# KiCad board pmi_2023.kicad_pcb (continued)
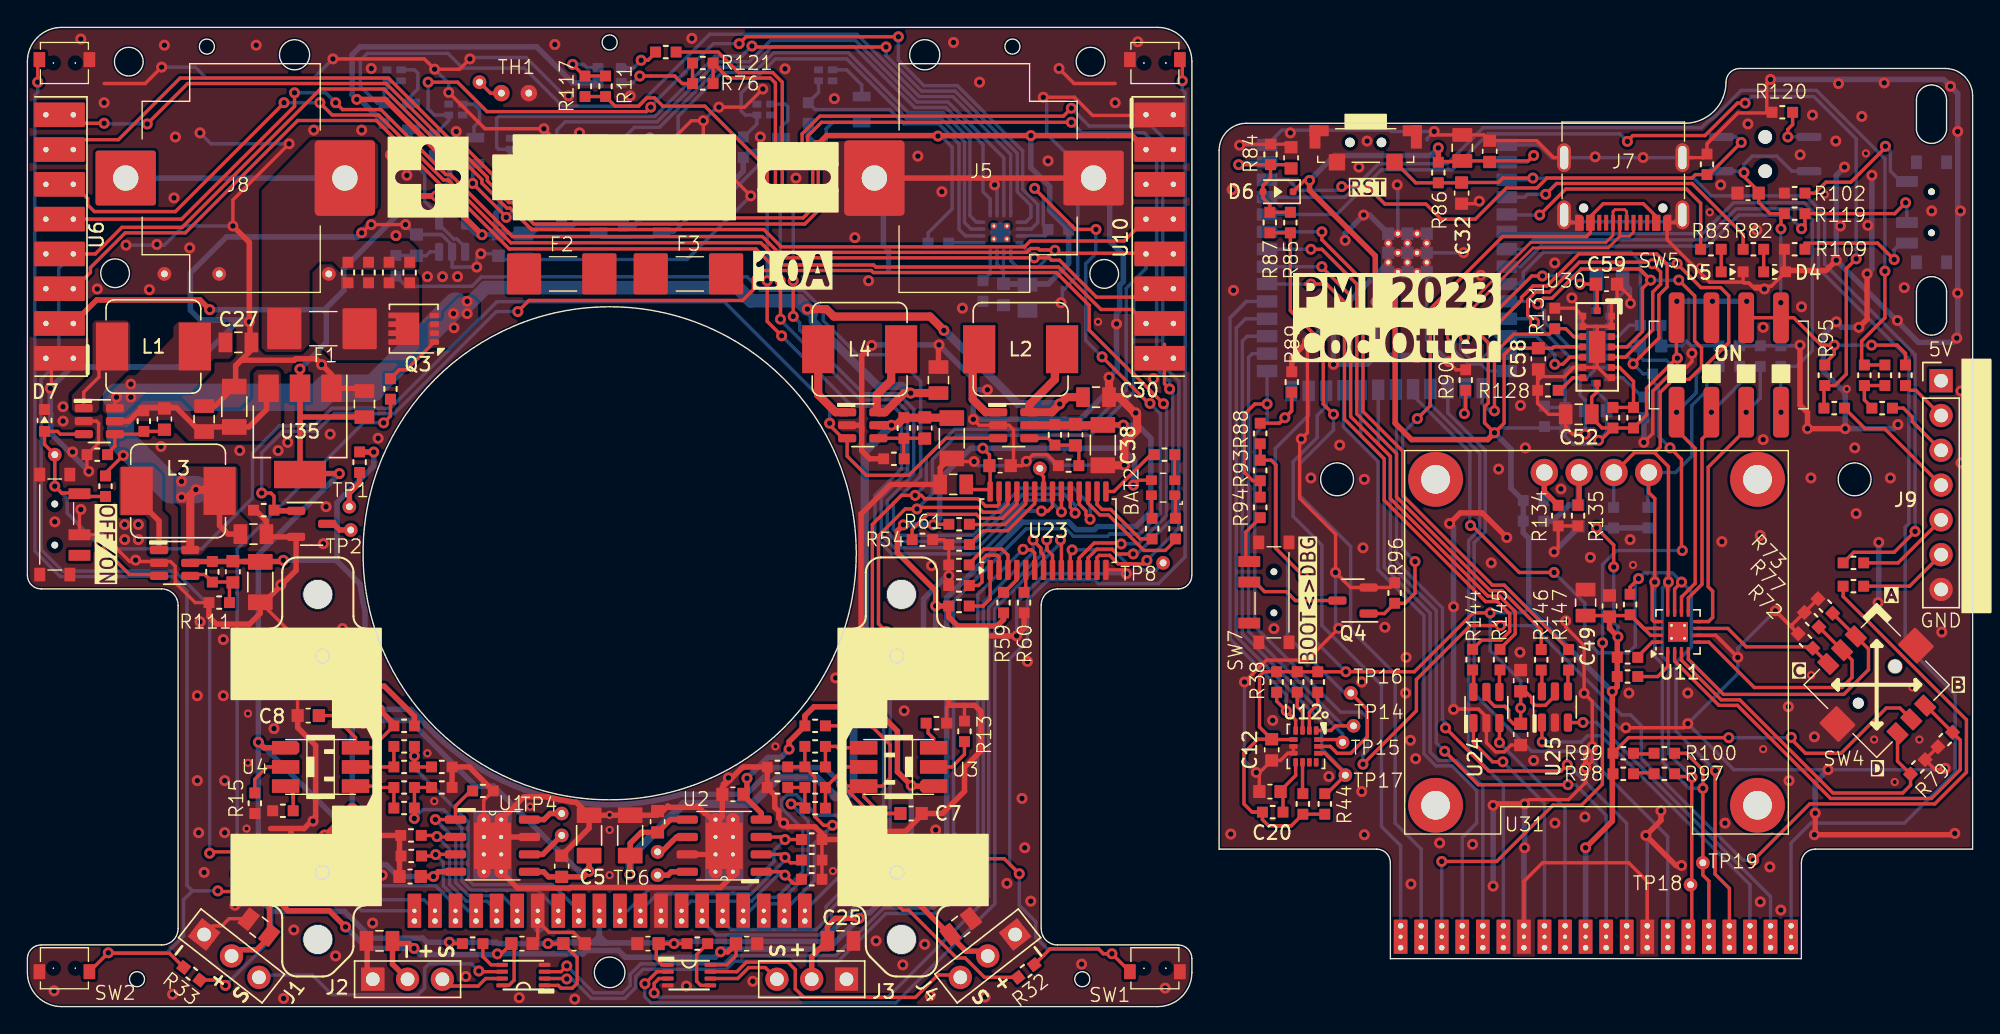
[diagram p0: board, top side]
## Library data of the parts (continued)
SW5 = -: Description: 4 poles SMT DIP switch; JLCPCB: C3024970; JLCPCB Part #: C437204
SW10 = -: Datasheet: https://wmsc.lcsc.com/wmsc/upload/file/pdf/v2/lcsc/2108252230_BZCN-TSB001A3526A02_C2888889.pdf; Description: 50mA max, 12Vdc, 100mohms max; JLCPCB Part #: C2888889
TH1 = -: Description: Temperature dependent resistor, negative temperature coefficient; ki_fp_filters: *NTC* *Thermistor* PIN?ARRAY* bornier* *Terminal?Block* R_*
TP1-TP19 = -: Description: test point; ki_fp_filters: Pin* Test*
U1 U2 = -: JLCPCB Part #: C5218849
U5 = -: Description: Low Cost, 250 mA Output, / Single-Supply Amplifiers, supply [2.7;6V]; MOUSER_REF: 584-AD8531ARTZ-R7; JLCPCB Part #: C143905
U6 U10 = -: Description: tof sensor board connector - female; ki_fp_filters: Connector*:*_1x??_*
U7 U11 = -: Datasheet: https://www.ti.com/lit/ds/symlink/tca6408a.pdf; Description: 8-BIT I2C/SMBUS GPIO EXPANDER; mouser: 595-TCA6408ARGTR; JLCPCB part#: C181499; ki_fp_filters: TSSOP*4.4x7.8mm*P0.65mm*
U8 U9 U13-U16 U19 U20 = -: Description: SMT, detection distance 0.5mm photointerrupter; JLCPCB Part #: C2943466
U12 = -: Datasheet: https://www.st.com/resource/en/datasheet/lsm6dso32x.pdf; JLCPCB Part #: C2655100
U17 U21 = -: Datasheet: https://www.ti.com/lit/ds/symlink/sn74lvc2t45.pdf; Description: Dual-Bits Dual-Supply Bus Transceiver With Configurable Voltage Translation and 3-State Outputs, SOT-23-6; ki_fp_filters: SOT?23*
U18 = -: JLCPCB Part #: C509307
U22 U30 = -: Datasheet: https://www.st.com/resource/en/datasheet/vl53l5cx.pdf; Description: Time-of-Flight 8x8 multizone ranging sensor with wide field of view; JLCPCB Part #: C3178303; ki_fp_filters: ST*VL53L1x*
U23 = -: Datasheet: http://www.nxp.com/docs/en/data-sheet/PCA9685.pdf; Description: 16-channel 12-bit PWM Fm+ I2C-bus LED controller RGBA TSSOP; JLCPCB Part #: C2678753; ki_fp_filters: TSSOP*4.4x9.7mm*P0.65mm*
U24 U25 = -: Datasheet: https://www.ti.com/lit/ds/symlink/sn74lvc2g17.pdf; Description: Dual Schmitt-Trigger non inverting Buffer; ki_fp_filters: SOT?23*
U28 U29 U33 U34 = -: Datasheet: https://www.ti.com/lit/gpn/TLV61070A
U31 = -: Description: 0.96 inches, 128x64 pixels, supply [3.3;5V], I2C, SH1106 (or SSD1306) controller
U32 = -: Description: 8MB flash, 2MB PSRAM, with antena connector; JLCPCB Part #: C3013944
U35 = -: JLCPCB: C435835

## Footprints (pads in the part's own frame, mm; a bottom-side part is the same pattern mirrored in y, then rotated)
254
  rrect 4.4x5.5 hole 1.85: 1(-7.8,0)
  rrect 4.4x4 hole 1.85: 1(8.2,0)
ana_servo_5V
  rect 1.7x1.7 hole 1: 1(0,2.54)
  oval 1.7x1.7 hole 1: 2(0,0) 3(0,-2.54)
C_0603_1608Metric
  rrect 0.9x0.95 smd: 1(-0.775,0) 2(0.775,0)
C_0805_2012Metric
  rrect 1x1.45 smd: 1(-0.95,0) 2(0.95,0)
C_1206_3216Metric
  rrect 1.15x1.8 smd: 1(-1.475,0) 2(1.475,0)
CTN-NRN
  round 1.2 hole 0.5: 1(-1,0) 2(1,0)
D_SOD-323F
  rrect 0.5x0.5 smd: 1(-1.1,0) 2(1.1,0)
DDA0008B
  rrect 1.55x0.6 smd: 1(-2.7,1.905) 2(-2.7,0.635) 3(-2.7,-0.635) 4(-2.7,-1.905) 5(2.7,-1.905) 6(2.7,-0.635) 7(2.7,0.635) 8(2.7,1.905)
  round 1 hole 0.3: 9(-0.635,1.905) 9(-0.635,0.635) 9(-0.635,-0.635) 9(-0.635,-1.905) 9(0.635,1.905) 9(0.635,0.635) 9(0.635,-0.635) 9(0.635,-1.905)
  rrect 2.71x3.4 smd: 9(0,0)
  rrect 2.8x5 smd far side: 9(0,0)
Diodes_PowerDI3333-8
  rrect 0.6x1 smd: (0.02,0.565) (0.02,-0.565) (0.73,0.565) (0.73,-0.565)
  rrect 0.7x0.42 smd: (1.5,0.975) (1.5,0.325) (1.5,-0.325) (1.5,-0.975) 1(-1.5,0.975) 2(-1.5,0.325) 3(-1.5,-0.325) 4(-1.5,-0.975)
  custom 2.25x2.37 smd: 5(0.455,0)
EESX1321
  rrect 2x1 smd: 1(-2.55,1.4) 2(-2.55,0) 3(-2.55,-1.4) 4(2.55,-1.4) 5(2.55,0) 6(2.55,1.4)
eps32_uart_programmer
  rect 1.7x1.7 hole 1: 1(0,0)
  oval 1.7x1.7 hole 1: 2(0,-2.54) 3(0,-5.08) 4(0,-7.62) 5(0,-10.16) 6(0,-12.7) 7(0,-15.24)
ESE58L11B
  round 0.1 hole 0.7 unplated: (-0.8,0) (0.8,0)
  rrect 0.85x1.1 smd: 1(-1.825,0.25) 2(1.825,0.25)
ESE58R11B
  round 0.1 hole 0.7 unplated: (-0.8,0) (0.8,0)
  rrect 0.85x1.1 smd: 1(-1.825,0.25) 2(1.825,0.25)
ESP32-S3-WROOM-1
  rrect 1.5x0.9 smd: 1(-8.75,8.255) 2(-8.75,6.985) 3(-8.75,5.715) 4(-8.75,4.445) 5(-8.75,3.175) 6(-8.75,1.905) 7(-8.75,0.635) 8(-8.75,-0.635) 9(-8.75,-1.905) 10(-8.75,-3.175) 11(-8.75,-4.445) 12(-8.75,-5.715) 13(-8.75,-6.985) 14(-8.75,-8.255) 27(8.75,-8.255) 28(8.75,-6.985) 29(8.75,-5.715) 30(8.75,-4.445) 31(8.75,-3.175) 32(8.75,-1.905) 33(8.75,-0.635) 34(8.75,0.635) 35(8.75,1.905) 36(8.75,3.175) 37(8.75,4.445) 38(8.75,5.715) 39(8.75,6.985) 40(8.75,8.255)
  rrect 0.9x1.5 smd: 15(-6.985,-9.505) 16(-5.715,-9.525) 17(-4.445,-9.545) 18(-3.175,-9.565) 19(-1.905,-9.585) 20(-0.635,-9.605) 21(0.635,-9.625) 22(1.905,-9.645) 23(3.175,-9.665) 24(4.445,-9.685) 25(5.715,-9.705) 26(6.985,-9.725)
  rrect 0.9x0.9 smd: 41(-2.9,-1.025) 41(-2.9,0.375) 41(-2.9,1.775) 41(-1.5,-1.025) 41(-1.5,0.375) 41(-1.5,1.775) 41(-0.1,-1.025) 41(-0.1,0.375) 41(-0.1,1.775)
  round 0.6 hole 0.3: 41(-2.9,-0.325) 41(-2.9,1.075) 41(-2.2,-1.025) 41(-2.2,0.375) 41(-2.2,1.775) 41(-1.5,-0.325) 41(-1.5,1.075) 41(-0.8,-1.025) 41(-0.8,0.375) 41(-0.8,1.775) 41(-0.1,-0.325) 41(-0.1,1.075)
HAD-04HWAG-2
  rrect 1.15x3.7 smd: 1(-3.81,-3.45) 2(-1.27,-3.45) 3(1.27,-3.45) 4(3.81,-3.45) 5(3.81,3.45) 6(1.27,3.45) 7(-1.27,3.45) 8(-3.81,3.45)
ITR1204SR10A
  rrect 0.65x0.5 smd: 1(0.5,-0.4) 2(0.5,0.4)
  rrect 0.7x0.5 smd: 3(-0.525,0.4) 4(-0.525,-0.4)
JFC2410
  rrect 2.5x3 smd: 1(-2.75,0) 2(2.75,0)
L_Kyocera_07A7_7.3x6.6mm
  rect 2.35x3.5 smd: 1(-3.025,0) 2(3.025,0)
LED_0603_1608Metric
  rrect 0.8x0.8 smd: A(0.8,0) C(-0.8,0)
LGA-14_3x2.5mm_P0.5mm_LayoutBorder3x4y
  rrect 0.625x0.35 smd: 1(-1.163,0.75) 2(-1.163,0.25) 3(-1.163,-0.25) 4(-1.163,-0.75) 8(1.163,-0.75) 9(1.163,-0.25) 10(1.163,0.25) 11(1.163,0.75)
  rrect 0.35x0.625 smd: 5(-0.5,-0.912) 6(0,-0.912) 7(0.5,-0.912) 12(0.5,0.912) 13(0,0.912) 14(-0.5,0.912)
MountingHole_2.1mm
  round 2.1 hole 2.1 unplated: (0,0)
MSS12C02LS-BB2.0
  round 0.5 hole 0.8 unplated: (-1.5,0) (1.5,0)
  rrect 0.8x1.6 smd: A(-2.25,1.8) B(0.75,1.8) C(2.25,1.8)
  rrect 1x0.8 smd: MP(-3.65,1.1) MP(-3.65,-1.1) MP(3.65,1.1) MP(3.65,-1.1)
NH-B2020RGBA-HF
  rrect 0.8x0.7 smd: 1(-0.85,0.55) 2(0.85,0.55) 3(0.85,-0.55) 4(-0.85,-0.55)
OLED_0.96inch
  round 2 hole 1.2: 1(-3.81,12.4) 2(-1.27,12.4) 3(1.27,12.4) 4(3.81,12.4)
  round 4 hole 2.1: NC(-11.75,11.9) NC(-11.75,-11.9) NC(11.75,11.9) NC(11.75,-11.9)
pmi_2023_interconnection
  round 0.7 hole 0.3: 1(-14.25,0) 2(-12.75,0) 3(-11.25,0) 4(-9.75,0) 5(-8.25,0) 6(-6.75,0) 7(-5.25,0) 8(-3.75,0) 9(-2.25,0) 10(-0.75,0) 11(0.75,0) 12(2.25,0) 13(3.75,0) 14(5.25,0) 15(6.75,0) 16(8.25,0) 17(9.75,0) 18(11.25,0) 19(12.75,0) 20(14.25,0)
  rrect 1x2.5 smd: 1(-14.25,0) 2(-12.75,0) 3(-11.25,0) 4(-9.75,0) 5(-8.25,0) 6(-6.75,0) 7(-5.25,0) 8(-3.75,0) 9(-2.25,0) 10(-0.75,0) 11(0.75,0) 12(2.25,0) 13(3.75,0) 14(5.25,0) 15(6.75,0) 16(8.25,0) 17(9.75,0) 18(11.25,0) 19(12.75,0) 20(14.25,0)
  round 0.7 hole 0.4: 1(-14.25,-0.75) 2(-12.75,-0.75) 3(-11.25,-0.75) 4(-9.75,-0.75) 5(-8.25,-0.75) 6(-6.75,-0.75) 7(-5.25,-0.75) 8(-3.75,-0.75) 9(-2.25,-0.75) 10(-0.75,-0.75) 11(0.75,-0.75) 12(2.25,-0.75) 13(3.75,-0.75) 14(5.25,-0.75) 15(6.75,-0.75) 16(8.25,-0.75) 17(9.75,-0.75) 18(11.25,-0.75) 19(12.75,-0.75) 20(14.25,-0.75)
pmi_2023_interconnection_top
  round 0.7 hole 0.4: 1(-14.25,0.8) 1(-14.25,-0.8) 2(-12.75,0.8) 2(-12.75,-0.8) 3(-11.25,0.8) 3(-11.25,-0.8) 4(-9.75,0.8) 4(-9.75,-0.8) 5(-8.25,0.8) 5(-8.25,-0.8) 6(-6.75,0.8) 6(-6.75,-0.8) 7(-5.25,0.8) 7(-5.25,-0.8) 8(-3.75,0.8) 8(-3.75,-0.8) 9(-2.25,0.8) 9(-2.25,-0.8) 10(-0.75,0.8) 10(-0.75,-0.8) 11(0.75,0.8) 11(0.75,-0.8) 12(2.25,0.8) 12(2.25,-0.8) 13(3.75,0.8) 13(3.75,-0.8) 14(5.25,0.8) 14(5.25,-0.8) 15(6.75,0.8) 15(6.75,-0.8) 16(8.25,0.8) 16(8.25,-0.8) 17(9.75,0.8) 17(9.75,-0.8) 18(11.25,0.8) 18(11.25,-0.8) 19(12.75,0.8) 19(12.75,-0.8) 20(14.25,0.8) 20(14.25,-0.8)
  round 0.7 hole 0.3: 1(-14.25,0) 2(-12.75,0) 3(-11.25,0) 4(-9.75,0) 5(-8.25,0) 6(-6.75,0) 7(-5.25,0) 8(-3.75,0) 9(-2.25,0) 10(-0.75,0) 11(0.75,0) 12(2.25,0) 13(3.75,0) 14(5.25,0) 15(6.75,0) 16(8.25,0) 17(9.75,0) 18(11.25,0) 19(12.75,0) 20(14.25,0)
  rrect 1x2.5 smd: 1(-14.25,0) 2(-12.75,0) 3(-11.25,0) 4(-9.75,0) 5(-8.25,0) 6(-6.75,0) 7(-5.25,0) 8(-3.75,0) 9(-2.25,0) 10(-0.75,0) 11(0.75,0) 12(2.25,0) 13(3.75,0) 14(5.25,0) 15(6.75,0) 16(8.25,0) 17(9.75,0) 18(11.25,0) 19(12.75,0) 20(14.25,0)
  rrect 1x2.5 smd far side: 1(-14.25,0) 2(-12.75,0) 3(-11.25,0) 4(-9.75,0) 5(-8.25,0) 6(-6.75,0) 7(-5.25,0) 8(-3.75,0) 9(-2.25,0) 10(-0.75,0) 11(0.75,0) 12(2.25,0) 13(3.75,0) 14(5.25,0) 15(6.75,0) 16(8.25,0) 17(9.75,0) 18(11.25,0) 19(12.75,0) 20(14.25,0)
r0603_reflow
  rrect 0.8x0.8 smd: 1(-0.75,0) 2(0.75,0)
r0805_reflow
  rrect 0.7x1.3 smd: 1(-0.95,0) 2(0.95,0)
RPI-0352E
  round 1 hole 1.2 unplated: (0,-1.25)
  round 1 hole 1.5 unplated: (0,1.25)
  rrect 1.8x0.6 smd: 1(3.2,-1.25) 2(3.2,1.25) 3(-3.2,1.25) 4(-3.2,-1.25)
SOT-23-3
  rrect 1.325x0.6 smd: 1(-1.137,0.95) 2(-1.137,-0.95) 3(1.137,0)
SOT-23-5
  rrect 1.325x0.6 smd: 1(-1.137,0.95) 2(-1.137,0) 3(-1.137,-0.95) 4(1.137,-0.95) 5(1.137,0.95)
SOT-23-6
  rrect 1.325x0.6 smd: 1(-1.137,0.95) 2(-1.137,0) 3(-1.137,-0.95) 4(1.137,-0.95) 5(1.137,0) 6(1.137,0.95)
SOT-223
  rect 2x1.5 smd: 1(-3.15,2.3) 2(-3.15,0) 3(-3.15,-2.3)
  rect 2x3.8 smd: 4(3.15,0)
testpoint-THT-0.5mm
  round 1 hole 0.5: 1(0,0)
TM-4175-B-A
  round 0.8 hole 1 unplated: (0,1.9)
  round 1.1 hole 1 unplated: (0,-1.9)
  rrect 1.35x1 smd: 1(3.575,-1.425) 2(3.575,0) 3(3.575,1.425) 4(-3.575,-1.425) 5(-3.575,0) 6(-3.575,1.425)
  rrect 2x1.8 smd: MP(0,4.05) MP(0,-4.05)
tof_sensor_male
  round 1 hole 0.4: 1(-8.89,1) 1(-8.89,-1) 2(-6.35,1) 2(-6.35,-1) 3(-3.81,1) 3(-3.81,-1) 4(-1.27,1) 4(-1.27,-1) 5(1.27,1) 5(1.27,-1) 6(3.81,1) 6(3.81,-1) 7(6.35,1) 7(6.35,-1) 8(8.89,1) 8(8.89,-1)
  rrect 1.8x3.7 smd: 1(-8.89,0) 2(-6.35,0) 3(-3.81,0) 4(-1.27,0) 5(1.27,0) 6(3.81,0) 7(6.35,0) 8(8.89,0)
TSB001A3526A02
  round 0.7 hole 0.8 unplated: (-1.15,0) (1.15,0)
  rrect 1.2x1.2 smd: 1(-2.1,-1.45) 2(2.1,-1.45)
  rect 0.8x1.7 smd: MP(-3.7,0.4) MP(3.7,0.4)
  rect 1.4x0.8 smd: MP(-3.4,0.85) MP(3.4,0.85)
TSSOP-28_4.4x9.7mm_P0.65mm
  rrect 1.475x0.4 smd: 1(-2.862,4.225) 2(-2.862,3.575) 3(-2.862,2.925) 4(-2.862,2.275) 5(-2.862,1.625) 6(-2.862,0.975) 7(-2.862,0.325) 8(-2.862,-0.325) 9(-2.862,-0.975) 10(-2.862,-1.625) 11(-2.862,-2.275) 12(-2.862,-2.925) 13(-2.862,-3.575) 14(-2.862,-4.225) 15(2.862,-4.225) 16(2.862,-3.575) 17(2.862,-2.925) 18(2.862,-2.275) 19(2.862,-1.625) 20(2.862,-0.975) 21(2.862,-0.325) 22(2.862,0.325) 23(2.862,0.975) 24(2.862,1.625) 25(2.862,2.275) 26(2.862,2.925) 27(2.862,3.575) 28(2.862,4.225)
USB4105
  round 0.7 hole 0.65 unplated: (-2.89,6.28) (2.89,6.28)
  rrect 0.6x1.15 smd: A1(-3.2,7.355) A4(-2.4,7.355) A9(2.4,7.355) A12(3.2,7.355) B1(3.2,7.355) B4(2.4,7.355) B9(-2.4,7.355) B12(-3.2,7.355)
  rrect 0.3x1.15 smd: A5(-1.25,7.355) A6(-0.25,7.355) A7(0.25,7.355) A8(1.25,7.355) B5(1.75,7.355) B6(0.75,7.355) B7(-0.75,7.355) B8(-1.75,7.355)
  oval 1x2.1 hole 0.6x1.7: SHIELD(-4.32,6.78) SHIELD(-4.32,2.6) SHIELD(4.32,6.78) SHIELD(4.32,2.6)
VL53L5CX
  rrect 0.5x0.5 smd: A1(4.58,-0.95) A2(3.83,-0.95) A3(3.08,-0.95) A4(2.33,-0.95) A5(1.58,-0.95) A6(0.83,-0.95) A7(0.08,-0.95) B1(4.98,0.1) B7(-0.32,0.1) C1(4.58,1.15) C2(3.83,1.15) C3(3.08,1.15) C4(2.33,1.15) C5(1.58,1.15) C6(0.83,1.15) C7(0.08,1.15)
  rrect 0.2x0.6 smd: A1(4.73,-0.9)
  rrect 2.316x1.2 smd: B4(2.33,0.1)
VQFN-16-1EP_3x3mm_P0.5mm_EP1.1x1.1mm
  rrect 1.2x1.2 smd: (0,0)
  rrect 0.6x0.24 smd: 1(-1.4,0.75) 2(-1.4,0.25) 3(-1.4,-0.25) 4(-1.4,-0.75) 9(1.4,-0.75) 10(1.4,-0.25) 11(1.4,0.25) 12(1.4,0.75)
  rrect 0.24x0.6 smd: 5(-0.75,-1.4) 6(-0.25,-1.4) 7(0.25,-1.4) 8(0.75,-1.4) 13(0.75,1.4) 14(0.25,1.4) 15(-0.25,1.4) 16(-0.75,1.4)
  round 0.45 hole 0.2: 17(-0.475,0.475) 17(-0.475,-0.475) 17(0.475,0.475) 17(0.475,-0.475)
  rect 1.45x1.45 smd: 17(0,0)
VSSOP-8-DCU
  rrect 0.85x0.3 smd: 1(-1.55,0.75) 2(-1.55,0.25) 3(-1.55,-0.25) 4(-1.55,-0.75) 5(1.55,-0.75) 6(1.55,-0.25) 7(1.55,0.25) 8(1.55,0.75)

## Nets
+3V3: BAT2.3 C1.1 C2.1 C10.1 C11.1 C13.1 C14.1 C15.1 C17.1 C46.1 C47.1 C48.1 D1.3 J50.10 R9.1 R12.1 R30.2 R32.1 R33.1 R36.1 R37.1 R42.1 R43.1 R48.1 R49.1 R52.1 R53.1 R57.1 R59.1 R61.1 R142.1 R143.1 U1.4 U2.4 U3.1 U4.1 U5.5 U6.2 U7.14 U7.15 U10.2 U17.1 U21.1 U23.28 U35.2 U35.4
+3V3_m: C12.1 C16.1 C18.1 C28.1 C34.1 C35.1 C49.1 C50.1 C51.1 C52.1 C53.1 C57.1 C58.1 C59.1 D6.1 J49.10 R38.1 R39.1 R44.1 R45.1 R80.1 R81.1 R86.1 R88.1 R93.1 R95.1 R98.1 R99.1 R101.1 R115.1 R116.1 R118.1 R119.1 R123.1 R125.1 R126.1 R129.1 R130.1 R132.2 R133.2 R138.1 R141.1 SW4.5 SW5.5 SW5.6 SW5.7 SW5.8 U11.14 U11.15 U12.5 U18.2 U18.3 U22.A4 U22.B1 U22.B7 U24.5 U25.5 U30.A4 U30.B1 U30.B7 U32.2
+5V: C19.1 C21.1 C23.1 C24.1 C25.1 C26.1 C37.1 C38.1 J1.2 J2.2 J3.2 J4.2 R29.2 R67.1 U17.8 U21.8 U29.5
/boards interface/com/vbatt_mon_3.45V: J49.2 R85.2 R87.2
/boards interface/vbatt_mon_3.45V: J50.2 R65.2
/power_supply/P3V9: C29.1 C36.1 C45.1 R66.1 U28.5 U35.3
GND: C1.2 C2.2 C3.2 C4.2 C5.2 C6.2 C7.2 C8.2 C9.2 C10.2 C11.2 C13.2 C14.2 C15.2 C17.2 C19.2 C21.2 C23.2 C24.2 C25.2 C26.2 C27.2 C30.2 C36.2 C38.2 C39.2 C40.2 C43.2 C44.2 C45.2 C46.2 C47.2 C48.2 D7.C J1.1 J2.1 J3.1 J4.1 J5.1 J50.7 J50.13 Q1.2 Q3.4 R1.2 R2.2 R3.2 R4.2 R5.2 R6.2 R7.2 R10.2 R13.2 R14.2 R15.2 R16.2 R18.2 R21.2 R23.2 R27.2 R54.2 R55.2 R56.2 R58.2 R60.2 R107.2 R108.2 R111.2 R113.2 SW1.1 SW2.2 SW6.1 SW8.B SW8.MP SW9.2 TH1.2 TP10.1 TP13.1 U1.7 U1.9 U2.7 U2.9 U5.2 U6.1 U7.6 U8.2 U8.4 U9.2 U9.4 U10.1 U13.2 U13.4 U14.2 U14.4 U15.2 U15.4 U16.2 U16.4 U17.4 U19.2 U19.4 U20.2 U20.4 U21.4 U23.14 U28.2 U29.2 U33.2 U34.2 U35.1
GND_m: C12.2 C16.2 C18.2 C20.2 C28.2 C31.2 C32.2 C33.2 C34.2 C35.2 C49.2 C50.2 C51.2 C52.2 C53.2 C57.2 C58.2 C59.2 D4.C D5.C J7.A1 J7.A12 J7.B1 J7.B12 J7.SHIELD J9.7 J49.7 J49.13 Q4.2 R68.2 R69.2 R70.2 R71.2 R72.2 R73.2 R77.2 R78.2 R79.2 R84.1 R89.2 R90.2 R96.2 R102.2 R109.2 R120.2 R122.2 R124.2 R127.2 R128.2 R131.2 R134.1 R135.2 SW3.MP SW4.MP SW7.MP SW10.1 SW10.MP U11.6 U12.6 U12.7 U22.A2 U22.A6 U22.A7 U22.B4 U22.C1 U22.C6 U22.C7 U24.2 U25.2 U30.A2 U30.A6 U30.A7 U30.B4 U30.C1 U30.C6 U30.C7 U32.1 U32.40 U32.41
+BATT: C27.1 C30.1 C39.1 C40.1 L1.1 L2.1 L3.1 L4.1 Q3.1 Q3.2 Q3.3 R65.1 R114.1 U28.6 U29.6 U33.6 U34.6
/actuators//reset_tof_3v3: U6.8 U10.8 U23.12
/actuators/enable_tof_3v3: U6.7 U23.13
/actuators/led_RGB_b_3v3: R11.1 R117.1 U23.21
/actuators/led_RGB_g_3v3: R76.1 R121.1 U23.20
/actuators/led_RGB_r_3v3: R74.1 U23.19
/actuators/led_vbatt_B: R62.2 U23.16
/actuators/led_vbatt_G: R63.2 U23.15
/actuators/led_vbatt_R: R64.2 U23.17
/actuators/line_led_pwm_3v3: R31.1 U23.18
/actuators/scl_3v3: J50.15 U6.6 U7.12 U10.6 U23.26
/actuators/sda_3v3: J50.16 U6.5 U7.13 U10.5 U23.27
/actuators/servo_pwm_0_3v3: U21.3 U23.6
/actuators/servo_pwm_0_5V: J1.3 U21.6
/actuators/servo_pwm_1_3v3: U21.2 U23.7
/actuators/servo_pwm_1_5V: J2.3 U21.7
/actuators/servo_pwm_2_3v3: U17.3 U23.8
/actuators/servo_pwm_2_5V: J3.3 U17.6
/actuators/servo_pwm_3_3v3: U17.2 U23.9
/actuators/servo_pwm_3_5V: J4.3 U17.7
/actuators/servos_nOE: R55.1 U23.23
/actuators/u23_unused_led4: TP8.1 U23.10
/actuators/u23_unused_led15: TP7.1 U23.22
/boards interface/com/boot/dl_select_3v3: R93.2 R94.1 R140.1 U32.27
/boards interface/com/ctc_left: J49.20 U32.6
/boards interface/com/ctc_right: J49.1 U32.24
/boards interface/com/dir_left: J49.5 U32.22
/boards interface/com/dir_right: J49.12 U32.20
/boards interface/com/emergency_stop_3v3: R119.2 SW3.B U32.8
/boards interface/com/EN_ESP32_3v3: C32.1 R86.2 R139.1 SW10.2 U32.3
/boards interface/com/esp32_dbg_rx_3v3: R95.2 R136.1 U32.36
/boards interface/com/esp32_dbg_tx_3v3: R91.2 R92.2 R137.1
/boards interface/com/esp32_vbatt_mon_1v8: C33.1 D6.2 R84.2 R85.1 R87.1 U32.39
/boards interface/com/i_prop_left_3v3: J49.6 U32.18
/boards interface/com/i_prop_right_3v3: J49.14 U32.17
/boards interface/com/led_com_3v3: R83.1 U32.5
/boards interface/com/led_esp_3v3: R82.1 U32.4
/boards interface/com/left_encod_A_3v3: R144.2 U32.32
/boards interface/com/left_encod_B_3v3: R145.2 U32.33
/boards interface/com/pwm_left: J49.4 U32.23
/boards interface/com/pwm_right: J49.11 U32.21
/boards interface/com/right_encod_A_3v3: R147.2 U32.35
/boards interface/com/right_encod_B_3v3: R146.2 U32.34
/boards interface/com/start_robot_3v3: R122.1 U18.4 U32.38
/boards interface/com/USB_D+: J7.A6 J7.B6 U32.14
/boards interface/com/USB_D-: J7.A7 J7.B7 U32.13
/boards interface/com/USB_VBUS: J7.A4 J7.A9 J7.B4 J7.B9 Q4.1 R96.1
/boards interface/i2c_io_int_3v3: J49.17 R115.2 U11.11 U32.19
/boards interface/i2C_io_int_3v3: J50.17 R9.2 U7.11
/boards interface/i_prop_left_3v3: J50.6 R7.1 U1.1
/boards interface/i_prop_right_3v3: J50.14 R6.1 U2.1
/boards interface/interface/conf0: R68.1 SW5.1 U11.10
/boards interface/interface/conf1: R69.1 SW5.2 U11.9
/boards interface/interface/conf2: R70.1 SW5.3 U11.8
/boards interface/interface/conf3: R71.1 SW5.4 U32.7
/boards interface/interface/select0: R79.1 SW4.6 U11.3
/boards interface/interface/select1: R73.1 SW4.1 U11.4
/boards interface/interface/select2: R72.1 SW4.3 U11.7
/boards interface/interface/select3: R78.1 SW4.4 U11.2
/boards interface/interface/select4: R77.1 SW4.2 U11.5
/boards interface/left_encod_raw_A_3v3: J49.8 U24.1
/boards interface/left_encod_raw_B_3v3: J49.9 U24.3
/boards interface/right_encod_raw_A_3v3: J49.19 U25.3
/boards interface/right_encod_raw_B_3v3: J49.18 U25.1
/boards interface/scl_top_3v3: J49.15 R80.2 R97.2 TP18.1 U11.12 U22.C4 U30.C4 U31.3 U32.10
/boards interface/sda_top_3v3: J49.16 R81.2 R100.2 TP19.1 U11.13 U22.C3 U30.C3 U31.4 U32.11
/boards interface/Sensor module/enable_back_tof_3v3: R131.1 U30.A5 U32.15
/boards interface/Sensor module/enable_front_tof_3v3: R127.1 U22.A5 U32.9
/boards interface/Sensor module/gyro_irq_3v3: R38.2 U12.4 U32.31
/boards interface/Sensor module/gyro_miso_3v3: TP14.1 U12.1 U32.28
/boards interface/Sensor module/gyro_mosi_3v3: TP15.1 U12.14 U32.29
/boards interface/Sensor module/gyro_ncs_3v3: R44.2 TP17.1 U12.12 U32.30
/boards interface/Sensor module/gyro_sck_3v3: TP16.1 U12.13 U32.25
/boards interface/Sensor module/VL53L5_I2C_RST_u22_3v3: R124.1 U22.A1
/boards interface/Sensor module/VL53L5_I2C_RST_u30_3v3: R128.1 U30.A1
/boards interface/tof_irq_3v3: J49.3 R123.2 U22.A3 U30.A3 U32.12
/power_supply/+batt_fuse: F1.2 Q3.5 R103.2 R104.2 R105.2 R106.2 TP9.1
/power_supply/+batt_unprotected: F1.1 J8.1 R103.1 R104.1 R105.1 R106.1
/power_supply/enable_pw_conv_3v7: D7.A R114.2 SW8.A TP11.1 U28.3 U29.3 U33.3 U34.3
/power_supply/Vmot_left_5V: C3.1 C5.1 C41.1 C43.1 R8.2 R110.1 U1.5 U33.5
/power_supply/Vmot_right_5V: C4.1 C6.1 C42.1 C44.1 R112.1 U2.5 U34.5
/propulsion/dir_left: J50.5 R1.1 U1.2
/propulsion/dir_right: J50.12 R2.1 U2.2
/propulsion/encoder_supply: C7.1 C8.1 R29.1 R30.1 U3.6 U4.6
/propulsion/left_encod_A_3v3: J50.8 R26.2 R27.1 R28.2
/propulsion/left_encod_B_3v3: J50.9 R20.2 R21.1 R24.2
/propulsion/mot_left_A: TP3.1 U1.6
/propulsion/mot_left_B: TP4.1 U1.8
/propulsion/mot_right_A: TP5.1 U2.6
/propulsion/mot_right_B: TP6.1 U2.8
/propulsion/pwm_left: J50.4 R3.1 U1.3
/propulsion/pwm_right: J50.11 R4.1 U2.3
/propulsion/pwm_vaccum_3v3: Q1.1 R5.1 U23.11
/propulsion/right_encod_A_3v3: J50.19 R22.2 R23.1 R25.2
/propulsion/right_encod_B_3v3: J50.18 R17.2 R18.1 R19.2
/sensors/ctc_left: J50.20 R32.2 SW1.2 SW6.2
/sensors/ctc_right: J50.1 R33.2 SW2.1 SW9.1
/sensors/enable_tof1: U6.3 U10.7
/sensors/line_detect_l0: R36.2 U7.7 U8.1
/sensors/line_detect_l1: R42.2 U7.9 U13.1
/sensors/line_detect_l2: R48.2 U7.10 U15.1
/sensors/line_detect_l3: R52.2 U7.8 U19.1
/sensors/line_detect_r0: R37.2 U7.5 U9.1
/sensors/line_detect_r1: R43.2 U7.4 U14.1
/sensors/line_detect_r2: R49.2 U7.3 U16.1
/sensors/line_detect_r3: R53.2 U7.2 U20.1
/sensors/line_led_3v3: R34.1 R35.1 R40.1 R41.1 R46.1 R47.1 R50.1 R51.1 U5.1 U5.4
/sensors/tof_irq: J50.3 U6.4 U10.4
Net-(BAT2-C_BLUE): BAT2.2 R62.1
Net-(BAT2-C_GREEN): BAT2.4 R63.1
Net-(BAT2-C_RED): BAT2.1 R64.1
Net-(D1-C_BLUE): D1.2 R11.2 R117.2
Net-(D1-C_GREEN): D1.4 R76.2 R121.2
Net-(D1-C_RED): D1.1 R74.2
Net-(D4-PadA): D4.A R82.2
Net-(D5-PadA): D5.A R83.2
Net-(J9-3V3): J9.2 R138.2
Net-(J9-BOOT): J9.6 R140.2
Net-(J9-NRST): J9.5 R139.2
Net-(J9-RXD): J9.3 R137.2
Net-(J9-TXD): J9.4 R136.2
Net-(Q1-D): Q1.3 TP2.1
Net-(Q4-D): Q4.3 SW7.B
Net-(R8-Pad1): R8.1 TP1.1
Net-(R94-Pad2): R94.2 SW7.C
Net-(R97-Pad1): R97.1 R98.2
Net-(R100-Pad1): R99.2 R100.1
Net-(R102-Pad1): R102.1 SW3.A
Net-(R109-Pad1): R109.1 SW3.C
Net-(R120-Pad1): R120.1 U18.1
Net-(TH1-Pad1): TH1.1 TP12.1
Net-(U3-C1): R13.1 U3.2
Net-(U3-C2): R14.1 U3.3
Net-(U3-E1): R22.1 R25.1 U3.4
Net-(U3-E2): R17.1 R19.1 U3.5
Net-(U4-C1): R15.1 U4.2
Net-(U4-C2): R16.1 U4.3
Net-(U4-E1): R26.1 R28.1 U4.4
Net-(U4-E2): R20.1 R24.1 U4.5
Net-(U5-+): C9.1 R31.2 U5.3
Net-(U7-ADDR): R10.1 U7.16
Net-(U7-~{RESET}): R12.2 U7.1
Net-(U8-A): R34.2 U8.3
Net-(U9-A): R35.2 U9.3
Net-(U11-ADDR): R118.2 U11.16
Net-(U11-~{RESET}): R116.2 U11.1
Net-(U12-INT2/DEN): R39.2 U12.9
Net-(U12-SCx): R45.2 U12.3
Net-(U12-SDx): R101.2 U12.2
Net-(U12-Vdd): C20.1 R141.2 U12.8
Net-(U13-A): R40.2 U13.3
Net-(U14-A): R41.2 U14.3
Net-(U15-A): R46.2 U15.3
Net-(U16-A): R47.2 U16.3
Net-(U17-DIR): R143.2 U17.5
Net-(U19-A): R50.2 U19.3
Net-(U20-A): R51.2 U20.3
Net-(U21-DIR): R142.2 U21.5
Net-(U22-RSVD6): R125.2 R126.2 U22.C2
Net-(U23-A0): R57.2 U23.1
Net-(U23-A1): R56.1 U23.2
Net-(U23-A2): R58.1 U23.3
Net-(U23-A3): R59.2 U23.4
Net-(U23-A4): R60.1 U23.5
Net-(U23-A5): R61.2 U23.24
Net-(U23-EXTCLK): R54.1 U23.25
Net-(U24-1Y): R144.1 U24.6
Net-(U24-2Y): R145.1 U24.4
Net-(U25-1Y): R146.1 U25.6
Net-(U25-2Y): R147.1 U25.4
Net-(U28-FB): C29.2 R66.2 R107.1 U28.4
Net-(U28-SW): L1.2 U28.1
Net-(U29-FB): C37.2 R67.2 R108.1 U29.4
Net-(U29-SW): L2.2 U29.1
Net-(U30-RSVD6): R129.2 R130.2 U30.C2
Net-(U31-GND): R133.1 R134.2 U31.1
Net-(U31-VCC): C31.1 R132.1 R135.1 U31.2
Net-(U32-IO45,GPIO45): R88.2 R89.1 U32.26
Net-(U32-IO46,GPIO46): R90.1 U32.16
Net-(U32-TXD0,U0TXD,GPIO43,CLK_OUT1): R91.1 R92.1 U32.37
Net-(U33-FB): C41.2 R110.2 R111.1 U33.4
Net-(U33-SW): L3.2 U33.1
Net-(U34-FB): C42.2 R112.2 R113.1 U34.4
Net-(U34-SW): L4.2 U34.1

Pads without a net: F2 1 2; F3 1 2; J7 A5 A8 B5 B8; J9 1; SW7 A; SW8 C; U7 17; U10 3; U11 17; U12 10 11; U22 C5; U30 C5; U31 NC

## Via types
v1: diameter 0.8, hole 0.4, Top to Bottom, 551 vias
v2: diameter 0.6, hole 0.3, Top to Bottom, 27 vias

## Routing (per net, layer and track width the routed paths; a pad name or vN(x,y) marks a point on that pad's centre or on a via; arc(x,y) is an arc through that point)
+3V3: length 432.1
  Top w0.25: v1(66.12,35.18) 66.16,35.22 R61.1 ; v1(80.73,38.07) 81.09,38.44 BAT2.3 ; v1(14.45,1.55) 14.06,1.94 R33.1 ; U17.1 46.3,3.05 46.3,3.1 45.9,3.5 45.9,4.43 C17.1 v1(47.2,4.6) R143.1 ; v1(61.18,7.98) 62.97,7.98 63.9,7.05 64.33,7.05 67.82,3.55 68.45,3.55 69.86,2.14 R32.1 ; v1(69.74,40.78) 70.22,40.29 C13.1 70.28,39.45 U23.28 70.14,37.75 68.5,37.75 ; v1(38,4.6) 39.1,4.6 40.12,3.57 40.12,1.7 39.77,1.35 38.95,1.35 38.75,1.55 U21.1 ; 32,4.6 30.9,4.6 v1(30.8,4.7)
  Top w0.4: v1(33.19,56.36) 30.35,59.2 v1(28.2,59.2) 29.82,59.2 v1(29.83,59.18) ; C1.1 v1(29.64,9.5) 29.99,9.84 U1.4 ; v1(19.89,46.55) 19.89,45.16 U35.2 U35.4 19.97,38.92 v1(22.77,38.92) ; R59.1 71.25,28.26 70.78,27.79 67.91,27.79 67.25,28.45 R57.1 ; v1(30.83,61.43) 30.83,61.52 26.11,66.24 v1(24.04,66.24) ; R57.1 67.25,29.41 ; R57.1 66.31,29.25 v1(66.3,29.26) 66.3,30.36 63.5,33.16 63.5,34.73 v1(63.94,35.17) ; 19.9,43 19.95,43.05 C46.1 ; U4.1 17.26,18.9 v1(16.86,19.3) ; v1(64.51,16.15) 64.37,16.15 ; v1(64.51,16.15) 64.56,16.1 U3.1 66.05,16 ; v1(64.51,16.15) 63.5,17.16 63.5,20.12 61.73,21.89 ; 66.5,63.6 v1(73.25,63.6) 80.63,63.6 U10.2 ; 66.5,63.6 v1(66.47,63.57) ; 66.5,63.6 58.35,63.6 v1(57.62,62.88) ; v1(55.6,18.8) 55.6,19.35 R30.2 56.75,21.23 57.41,21.89 61.73,21.89 ; 61.73,21.89 62.84,23 v1(64.5,23) ; 81.07,62.58 81.98,62.58 ; 1.75,49.88 3.34,49.88 5.06,51.6 12.6,51.6 v1(13.31,50.89) ; v1(52.53,16.68) 52.53,15.75 C2.1 52.28,15.43 53.56,14.13 U2.4
  Bottom w0.25: 71.25,53.75 71.25,55.1 U7.14 ; 71.25,53.75 C47.1 71.32,52.7 C48.1 74.45,52.7 ; 71.25,53.75 70.78,54.22 U7.15 ; R12.1 65.75,56.5 67.5,58.25 67.5,62.75 66.68,63.57 v1(66.47,63.57) ; v1(14.45,1.55) 17.85,4.95 17.85,6.95 ; 35.63,56.45 33.7,56.45
  Bottom w0.4: 41.75,5.15 41.3,4.7 41.2,4.7 ; 41.75,5.15 41.75,4.7 ; 41.75,5.15 41.75,5.6 ; v1(29.83,59.18) 30.83,60.18 v1(30.83,61.43) 30.57,61.43 30,62 ; R42.1 34.5,58.24 34.2,57.94 34.2,56.57 C10.1 33.2,56.38 v1(33.19,56.36) 32.84,56.36 31.95,57.25 U5.5 32,57.34 ; v1(13.31,50.89) 21.61,50.89 21.82,50.68 ; v1(29.64,9.5) 27.06,9.5 26.21,10.35 25.9,10.35 16.95,19.3 v1(16.86,19.3) ; 42.24,4.65 38.05,4.65 v1(38,4.6) ; 42.24,4.65 41.75,5.14 41.75,5.6 ; 42.24,4.65 42.19,4.7 39.85,4.7 ; v1(16.86,19.3) 16.86,7.94 17.85,6.95 23.15,6.95 25.1,5 28.85,5 29.15,4.7 v1(30.8,4.7) ; v1(16.86,19.3) 16.86,33.01 v1(22.77,38.92) ; v1(30.8,4.7) 30.8,4.6 ; v1(30.8,4.7) 34.23,4.7 34.33,4.6 v1(38,4.6) ; v1(73.25,63.6) 73.25,61.25 74.62,59.88 74.62,58.12 R9.1 76,54.25 74.53,52.78 C47.1 ; R52.1 24.28,66.24 v1(24.04,66.24) 23.7,66.58 23.7,69.5 24.28,70.08 37.17,70.08 39.8,67.45 D1.3 ; J50.10 41.75,5.6 ; 41.75,4.7 41.2,4.7 ; 41.75,4.7 41.8,4.65 47.15,4.65 v1(47.2,4.6) 47.35,4.75 57.95,4.75 v1(61.18,7.98) 61.18,8.78 64.51,12.12 v1(64.51,16.15) ; v1(66.3,29.26) 66.3,24.63 64.67,23 v1(64.5,23) ; v1(38,4.6) 38.53,4.6 38.62,4.7 ; 40.25,4.7 39.85,4.7 ; 40.25,4.7 41.2,4.7 ; 40.25,4.7 38.62,4.7 ; 39.85,4.7 38.62,4.7 ; 21.82,50.68 21.8,50.7 21.8,51 23.1,52.3 23.1,53.9 28.2,59 v1(28.2,59.2) ; 21.82,50.68 21.82,48.48 v1(19.89,46.55) ; 35.63,56.45 36.81,56.45 37.36,57 R36.1 39.75,57 40.05,57.3 43.2,57.3 R37.1 44.25,57 44.79,57.54 47.46,57.54 48,58.08 R43.1 48.5,60 51.25,60 52.25,61 R49.1 52.68,62.43 57.18,62.43 v1(57.62,62.88) 57,63.5 R53.1 ; v1(63.94,35.17) 66.11,35.17 v1(66.12,35.18) 66.59,35.65 66.59,38.5 68.87,40.78 v1(69.74,40.78) 79.91,40.78 80.83,39.85 80.83,38.93 80.73,38.83 v1(80.73,38.07) ; v1(55.6,18.8) 55,18.2 54.05,18.2 v1(52.53,16.68)
+3V3_m: length 342.6
  Top w0.25: U11.15 118.49,27.11 R115.1 117.99,27.61 U11.14 118.71,27.61 ; 118.1,27.5 117.05,28.55 C49.1 ; v1(125.3,60.9) 125.3,60.6 126.38,59.53 C28.1 126.38,58.72 127.2,57.9 128.05,57.9 ; R99.1 116.88,19.64 v1(124.19,19.64) ; 89.4,14.2 R141.1 90.15,13.65 90.6,13.2 91.2,13.2 ; 89.4,14.2 89.65,14.2 ; 89.4,14.2 88.8,14.8 88.8,18.51 89.81,19.53 C12.1 ; v1(116.1,27) 116.15,27.05 ; v1(128.75,19.66) 128.75,19.54 129.79,18.5 132.39,18.5 135.69,21.8 136.69,21.8 SW4.5 ; 102.99,61.7 104.69,61.7 C35.1 109.55,61.75 v1(109.95,62.15) ; 120.37,51.25 120.37,47.42 v1(120.44,47.35) 120.39,47.35 118.19,45.15 118.19,43.2 R129.1 R130.1 ; 91.2,13.2 92.25,13.2 R39.1 94.6,14.05 ; 91.2,13.2 92.1,13.2 ; U30.A4 111.42,48.17 111.33,48.08 110.44,48.08 ; U12.5 90.85,19.5 C12.1 ; D6.1 93.21,60.33 v1(93.59,60.33) ; 131.09,46.85 131.89,47.65 v1(131.89,48.3) 130.94,48.3 128.94,50.3 125.89,50.3 125.77,50.42 125.45,50.42 ; v1(113.34,52.75) C59.1 114.59,52.65 U30.B7 ; 114.49,42.7 114.94,42.25 R130.1 ; R138.1 137.09,47.7 136.49,48.3 v1(134.61,48.3) ; C12.1 89.94,20.41 89.94,24.15 90.24,24.45 R38.1 R101.1 v1(96.24,24.45) 101.24,24.45 105.54,28.75 v1(106.78,28.75) ; U25.5 111.5,22.69 110.81,22 110.03,22 109.8,22.22 109.8,22.55 109.32,23.03 C16.1 v1(109,21.8) C18.1 108.47,20.65 108.12,21 108.12,21.65 107.85,21.93 107.1,21.93 106.5,22.53 U24.5 ; U30.B1 114.59,44.9 114.19,44.5 C52.1 ; R88.1 R93.1 90.79,39.9 91.14,39.55 91.14,33.45 v1(93.14,31.45) ; v1(110.59,53.35) 109.81,53.35 106.11,49.65 106.11,48.99 106.64,48.46 106.64,44.08 106.36,43.8 106.36,42.62 v1(107.09,41.9) 107.79,42.6 107.79,47.6 108.26,48.08 C58.1 ; C50.1 115.49,27.69 ; R130.1 114.84,41.35 v1(114.69,41.35) ; v1(115.79,32.1) 115.79,33.7 v1(114.54,34.95) ; v1(128,56.8) 128,57.81 128.24,58.05
  Top w0.4: v1(113.74,11.6) 115.69,13.55 v1(115.69,23) 116.05,23.36 R116.1 116.05,26.95 v1(116.1,27) 115.49,27.61 ; 115.49,27.61 C50.1 ; 115.49,27.61 115.49,27.69 ; SW5.8 120.38,51.48 v1(120.4,51.5) ; v1(93.59,60.33) 93.59,59.61 98.39,54.81 98.39,53.3 99.84,51.85 99.84,42.6 101.04,41.4 106.59,41.4 v1(107.09,41.9) ; 122.92,51.48 122.98,51.48 v1(123,51.5) ; 122.92,51.48 122.9,51.5 ; 122.92,51.48 SW5.7 ; 102.99,61.7 v1(102.99,62.7)
  Bottom w0.25: v1(93.14,31.45) 93.14,27.55 v1(96.24,24.45) ; 117.63,48.17 C57.1 ; 117.63,48.17 117.63,47.53 117.96,47.2 119.64,47.2 120.14,46.7 R123.1 120.44,46.5 v1(120.44,47.35) ; 117.63,48.17 U22.A4 ; v1(107.09,41.9) 107.44,42.25 R125.1 112.24,41.65 112.81,41.08 114.41,41.08 v1(114.69,41.35) 115.26,41.92 C53.1 115.26,44.22 114.39,45.1 U22.B1 ; U22.B7 114.39,52.85 C51.1 114.29,52.75 v1(113.34,52.75) 112.74,53.35 v1(110.59,53.35) ; v1(124.19,19.64) 128.73,19.64 v1(128.75,19.66) ; v1(109,21.8) 109,23.78 106.78,26 v1(106.78,28.75) 109.24,28.75 109.59,29.1 ; v1(109.95,62.15) 109.45,61.65 U32.2 ; U18.3 125.2,61 v1(125.3,60.9) 125.3,61.5 125.9,62.1 127.7,62.1 128.8,61 U18.2 ; v1(127.99,51.4) 127.99,56.79 v1(128,56.8) ; v1(115.79,32.1) 115.79,28.05 116.1,27.74 v1(116.1,27) ; v1(134.61,48.3) v1(131.89,48.3)
  Bottom w0.4: v1(114.54,34.95) R80.1 R81.1 ; v1(107.09,41.9) 108.29,40.7 108.29,37.85 R133.2 R132.2 109.19,34.6 109.59,34.2 109.59,29.1 v1(115.69,23) ; v1(125.5,51.5) v1(123,51.5) v1(120.4,51.5) ; v1(93.59,60.33) 95.41,62.15 102.44,62.15 v1(102.99,62.7) ; J49.10 v1(113.74,11.6)
